# Altium PCB EBAZ4205.PcbDoc (part 6 of 6)
Units mm, origin at the board's own origin, x right, y up, seen from the top; angles counter-clockwise.
Board outline 100.3 x 97 mm, 4 copper layers (Top Layer, MidLayer1, MidLayer2, Bottom Layer); 565 components, 392 nets, 1912 pads, 1242 vias.
Unrouted connection lines stored in the file: 7.
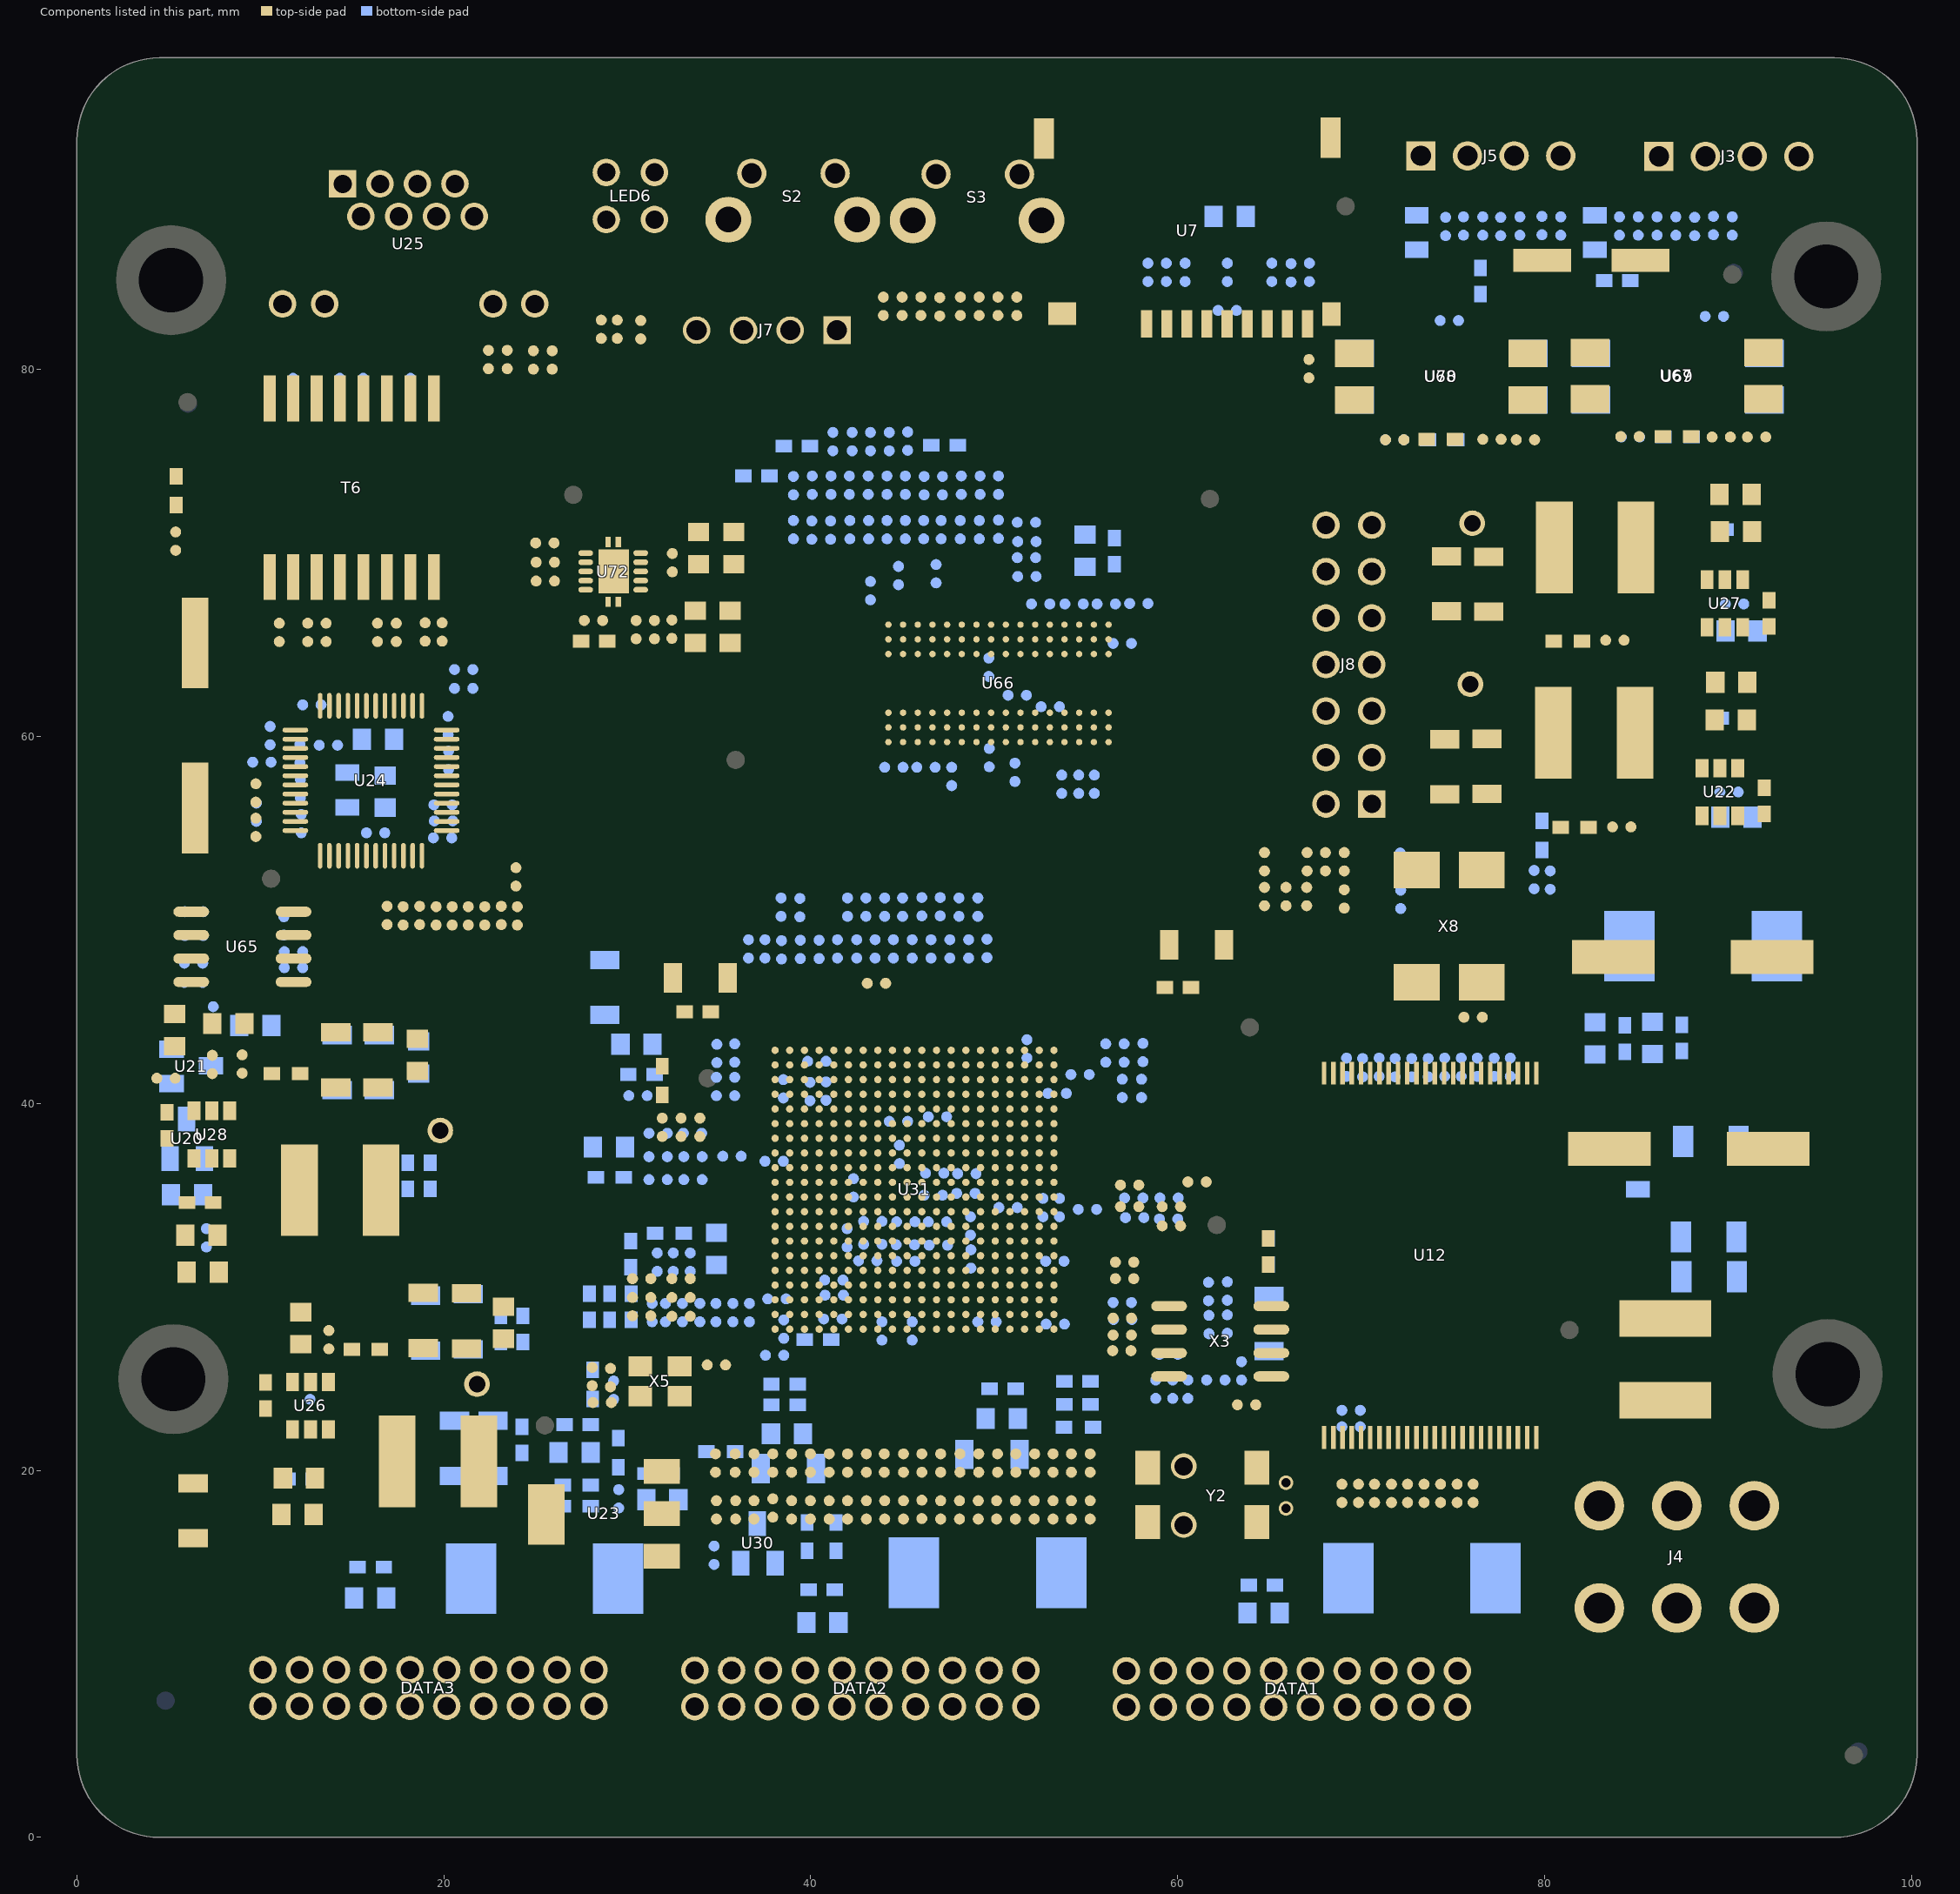
[diagram p8: the components of this part, seen from the top]

## Polygon pours and split planes (outlines as drawn) (continued)
GND on Bottom Layer "Bottom Layer-GND 16" (hatched 90Degree grid 0.152 track 0.178, remove dead copper, shelved, pour order 92): 30.898,40.045 33.447,40.045 33.897,40.495 33.897,45.043 35.621,46.768 35.621,63.389 37.846,65.613 37.846,72.361 36.921,73.286 36.921,74.736 37.246,75.061 37.896,75.061 39.37,76.535 47.368,76.535 47.368,75.436 50.867,75.436 51.942,74.361 51.942,70.412 57.016,70.412 57.866,69.562 58.091,69.337 58.091,66.838 60.865,64.063 60.865,46.443 58.94,44.518 58.94,41.769 58.69,41.519 58.69,40.994 59.04,40.994 59.04,41.219 60.84,43.019 60.84,44.593 62.789,46.543 62.789,69.537 53.992,78.335 31.622,78.335 27.024,73.736 27.024,46.618 27.723,45.918 29.773,45.918 30.848,44.843 30.848,40.07

## Keep-outs
Keep-Out Layer:
  circle w0.2: c65.506,93.006 r0.672
  circle w0.2: c57.456,92.956 r0.672
  lines w0.254: 0,4.5 ccw(c4.5,4.5) 4.5,0 95.8,0 ccw(c95.8,4.5) 100.3,4.5 100.3,92.5 ccw(c95.8,92.5) 95.8,97 4.5,97 ccw(c4.5,92.5) 0,92.5 0,4.5

## Other copper
MidLayer1:
  rectangle net GND: 32.772,94.031 69.698,96.355
MidLayer2:
  rectangle net VCC: 52.467,38.12 53.242,38.679
  rectangle net VCC: 51.242,37.32 51.592,38.045
  rectangle net VCC: 74.986,61.864 77.064,63.764

## Silkscreen, mask and mechanical layers (free items; w line width, h text height)
Top Overlay:
  drawing of 153 lines, arcs and shapes, not listed
  text "PWM" at 80.081,89.431 h0.6
  text "VCC" at 74.656,89.406 h0.6
  text "SPEED" at 76.781,89.381 h0.6
  text "GND" at 72.406,89.356 h0.6
  text "PWM" at 93.706,89.281 h0.6
  text "VCC" at 88.206,89.181 h0.6
  text "SPEED" at 90.456,89.181 h0.6
  text "GND" at 86.206,89.156 h0.6
  text "GND" at 40.356,83.806 h0.6
  text "VCC" at 32.606,83.756 h0.6
  text "RXD" at 35.281,83.756 h0.6
  text "TXD" at 37.906,83.756 h0.6
  text "TDI" at 63.681,65.981 h1.02
  text "TDO" at 63.681,63.381 h1.02
  text "TCK" at 63.681,60.881 h1.02
  text "TMS" at 63.681,58.381 h1.02
  text "VCC" at 63.681,55.781 h1.02
  text "E" at 42.881,52.006 h2.5
  text "2" at 55.531,52.006 h2.5
  text "0" at 58.006,52.006 h2.5
  text "Z" at 50.531,51.981 h2.5
  text "5" at 60.656,51.981 h2.5
  text "B" at 45.181,51.956 h2.5
  text "A" at 47.706,51.931 h2.5
  text "4" at 52.981,51.856 h2.5
  text "GND" at 95.681,17.356 h0.8
  text "DXSY" at 3.181,13.381 h0.8
  text "12V" at 95.706,13.081 h0.8
  text "IN" at 76.806,10.881 h0.8
  text "GND" at 71.731,10.831 h0.8
  text "12V" at 74.431,10.806 h0.8
  text "GND" at 48.256,10.656 h0.8
  text "12V" at 50.831,10.656 h0.8
  text "IN" at 53.181,10.681 h0.8
  text "GND" at 24.556,10.381 h0.8
  text "12V" at 27.556,10.356 h0.8
  text "IN" at 29.931,10.356 h0.8
Bottom Overlay:
  circle w0.254: c95.406,25.156 r3.65
  circle w0.254: c95.356,85.081 r3.65
  circle w0.254: c5.281,24.881 r3.65
  circle w0.254: c5.156,84.906 r3.65
  circle w0.254: c82.553,5.081 r2.247
  lines w0.2: 24.531,48.281 26.381,48.281 26.381,44.581 19.681,44.581 19.681,48.281 24.581,48.281 ; 24.581,44.581 24.581,38.831 35.006,38.831 35.006,35.031 30.831,35.031 ; 34.481,54.056 34.481,39.131 41.081,39.131 41.081,36.731 ; 35.431,34.631 36.531,34.631 36.531,30.406 24.206,30.406 24.206,34.631 35.506,34.631 ; 37.106,29.731 36.656,29.731 36.656,34.681 39.706,34.681 39.706,31.456 39.706,29.731 39.381,29.731 ; 37.331,59.681 38.281,59.681 38.281,54.056 26.356,54.056 26.356,59.681 37.431,59.681 ; 38.531,72.731 24.681,72.731 24.681,66.281 38.281,66.281 38.281,70.106 50.706,70.106 50.706,69.931 ; 42.681,34.206 48.106,34.206 48.106,28.831 40.231,28.831 40.231,34.206 42.806,34.206 ; 50.931,72.331 50.931,75.956 53.181,75.956 ; 52.956,71.981 54.306,71.981 54.306,75.956 53.131,75.956 ; 67.031,24.256 67.856,24.256 67.856,19.931 61.156,19.931 61.156,24.256 67.106,24.256 ; 71.956,92.656 80.581,92.656 80.581,96.106 79.706,96.106 ; 71.981,89.581 81.206,89.581 81.206,86.406 74.381,86.406 74.381,85.281 71.956,85.281 71.956,96.106 79.731,96.106 ; 81.056,3.756 83.831,6.481 ; 81.856,89.156 81.856,96.356 92.206,96.356 92.206,89.881 ; 83.756,86.706 92.206,86.706 92.206,89.931 ; 88.481,3.006 88.481,3.456 ; 88.731,2.806 89.206,2.806 ; 88.756,3.731 89.231,3.731 ; 88.806,4.731 89.256,4.731 ; 89.456,3.006 89.456,3.456 ; 89.456,3.981 89.456,4.456 ; 90.156,3.056 90.156,3.531 ; 90.156,4.056 90.156,4.506 ; 90.406,3.731 90.856,3.731 ; 91.106,4.031 91.106,4.481 ; 91.856,3.031 91.856,3.481 ; 91.856,4.006 91.856,4.481 ; 92.106,4.756 92.581,4.756 ; 93.531,3.056 93.531,3.506 ; 93.531,4.031 93.531,4.506
  lines w0.254: 77.681,72.981 78.956,72.981 78.956,28.031 68.881,28.031 68.881,72.981 77.806,72.981
  text "CODE" at 76.881,55.431 h0.9 r90
  text "LABEL" at 76.881,50.656 h1 r90
  text "MY" at 90.806,5.781 h1.1
  text "p" at 83.856,4.706 h2.3
  text "b" at 82.131,3.981 h2.3

## Text inside footprints (layer, text, board x,y; h text height)
DATA1: Top Overlay "1" at 77.356,8.681 h0.8; Top Overlay "2" at 77.156,6.531 h0.8; Top Overlay "19" at 54.481,8.631 h0.8; Top Overlay "20" at 54.356,6.431 h0.8
DATA2: Top Overlay "1" at 53.631,8.681 h0.8; Top Overlay "2" at 53.556,6.506 h0.8; Top Overlay "19" at 30.956,8.831 h0.8; Top Overlay "20" at 30.881,6.881 h0.8
DATA3: Top Overlay "1" at 29.956,8.606 h0.8; Top Overlay "2" at 29.881,6.881 h0.8; Top Overlay "19" at 7.256,8.406 h0.8; Top Overlay "20" at 7.131,6.756 h0.8
EC2: Top Overlay "+" at 92.656,32.256 h1
EC6: Top Overlay "+" at 92.881,42.706 h1
J4: Top Overlay "3" at 80.381,12.731 h1.2; Top Overlay "4" at 80.481,17.581 h1.2
LED6: Top Overlay "-" at 28.256,84.931 h1.2; Top Overlay "+" at 30.881,84.906 h1.2
U20: Bottom Overlay "B" at 8.406,36.456 h0.8
U21: Bottom Overlay "B" at 4.181,39.456 h0.8 r270
U24: Top Overlay "1" at 13.031,52.306 h0.6 r180; Top Overlay "12" at 18.756,51.931 h0.6; Top Overlay "13" at 20.381,53.806 h0.6; Top Overlay "24" at 20.331,60.806 h0.6; Top Overlay "25" at 19.231,62.206 h0.6; Top Overlay "36" at 13.406,63.481 h0.6 r180; Top Overlay "37" at 10.131,60.631 h0.6; Top Overlay "48" at 11.156,53.781 h0.6
U30: Bottom Overlay "B" at 38.656,12.981 h0.8
U31: Top Overlay "20" at 54.225,27.856 h0.6 r270; Top Overlay "19" at 54.225,28.881 h0.6 r270; Top Overlay "18" at 54.3,29.781 h0.6 r270; Top Overlay "17" at 54.3,30.606 h0.6 r270; Top Overlay "16" at 54.25,31.306 h0.6 r270; Top Overlay "15" at 54.25,32.131 h0.6 r270; Top Overlay "12" at 54.225,34.556 h0.6 r270; Top Overlay "11" at 54.225,35.281 h0.6 r270; Top Overlay "10" at 54.25,36.406 h0.6 r270; Top Overlay "9" at 54.25,37.031 h0.6 r270; Top Overlay "8" at 54.25,37.856 h0.6 r270; Top Overlay "7" at 54.225,38.506 h0.6 r270; Top Overlay "6" at 54.225,39.306 h0.6 r270; Top Overlay "5" at 54.275,40.106 h0.6 r270; Top Overlay "4" at 54.275,40.806 h0.6 r270; Top Overlay "3" at 54.225,41.556 h0.6 r270; Top Overlay "2" at 54.275,42.281 h0.6 r270; Top Overlay "1" at 54.225,43.281 h0.6 r270; Top Overlay "L" at 44.881,44.358 h0.6 r270; Top Overlay "A" at 52.881,44.483 h0.6 r270; Top Overlay "B" at 52.131,44.408 h0.6 r270; Top Overlay "C" at 51.381,44.483 h0.6 r270; Top Overlay "E" at 49.631,44.408 h0.6 r270; Top Overlay "F" at 48.856,44.358 h0.6 r270; Top Overlay "G" at 48.131,44.458 h0.6 r270; Top Overlay "J" at 46.581,44.408 h0.6 r270; Top Overlay "U" at 40.081,44.483 h0.6 r270; Top Overlay "V" at 39.256,44.483 h0.6 r270; Top Overlay "W" at 38.556,44.533 h0.6 r270; Top Overlay "T" at 41.081,44.458 h0.6 r270; Top Overlay "D" at 50.406,44.408 h0.6 r270; Top Overlay "H" at 47.356,44.458 h0.6 r270; Top Overlay "K" at 45.806,44.408 h0.6 r270; Top Overlay "M" at 44.131,44.408 h0.6 r270; Top Overlay "N" at 43.306,44.433 h0.6 r270; Top Overlay "P" at 42.556,44.408 h0.6 r270; Top Overlay "R" at 41.806,44.433 h0.6 r270; Top Overlay "Y" at 37.756,44.483 h0.6 r270
U66: Top Overlay "1" at 57.292,66.253 h0.8 r270; Top Overlay "3" at 57.292,64.903 h0.8 r270; Top Overlay "7" at 57.342,61.553 h0.8 r270; Top Overlay "9" at 57.317,59.953 h0.8 r270; Top Overlay "H" at 50.412,57.568 h0.8 r270; Top Overlay "P" at 45.537,57.518 h0.8 r270; Top Overlay "M" at 47.137,57.593 h0.8 r270; Top Overlay "T" at 43.937,57.568 h0.8 r270; Top Overlay "F" at 51.937,57.493 h0.8 r270; Top Overlay "D" at 53.562,57.543 h0.8 r270; Top Overlay "B" at 55.187,57.443 h0.8 r270; Top Overlay "R" at 44.585,67.899 h0.8 r270; Top Overlay "N" at 46.21,67.899 h0.8 r270; Top Overlay "L" at 47.81,67.824 h0.8 r270; Top Overlay "J" at 49.485,67.849 h0.8 r270; Top Overlay "G" at 51.06,67.924 h0.8 r270; Top Overlay "E" at 52.66,67.874 h0.8 r270; Top Overlay "A" at 55.91,67.924 h0.8 r270; Top Overlay "C" at 54.285,67.924 h0.8 r270